# Altium PCB CT310高端控制盒核心板电路V1.3.PcbDoc (part 8 of 10)
Units mil, origin at the board's own origin, x right, y up, seen from the top; angles counter-clockwise.
Board outline 3735.76 x 4625 mil, 2 copper layers (TOP, BOTTOM), stack 10.4 mil thick; 198 components, 362 nets, 1085 pads, 352 vias.
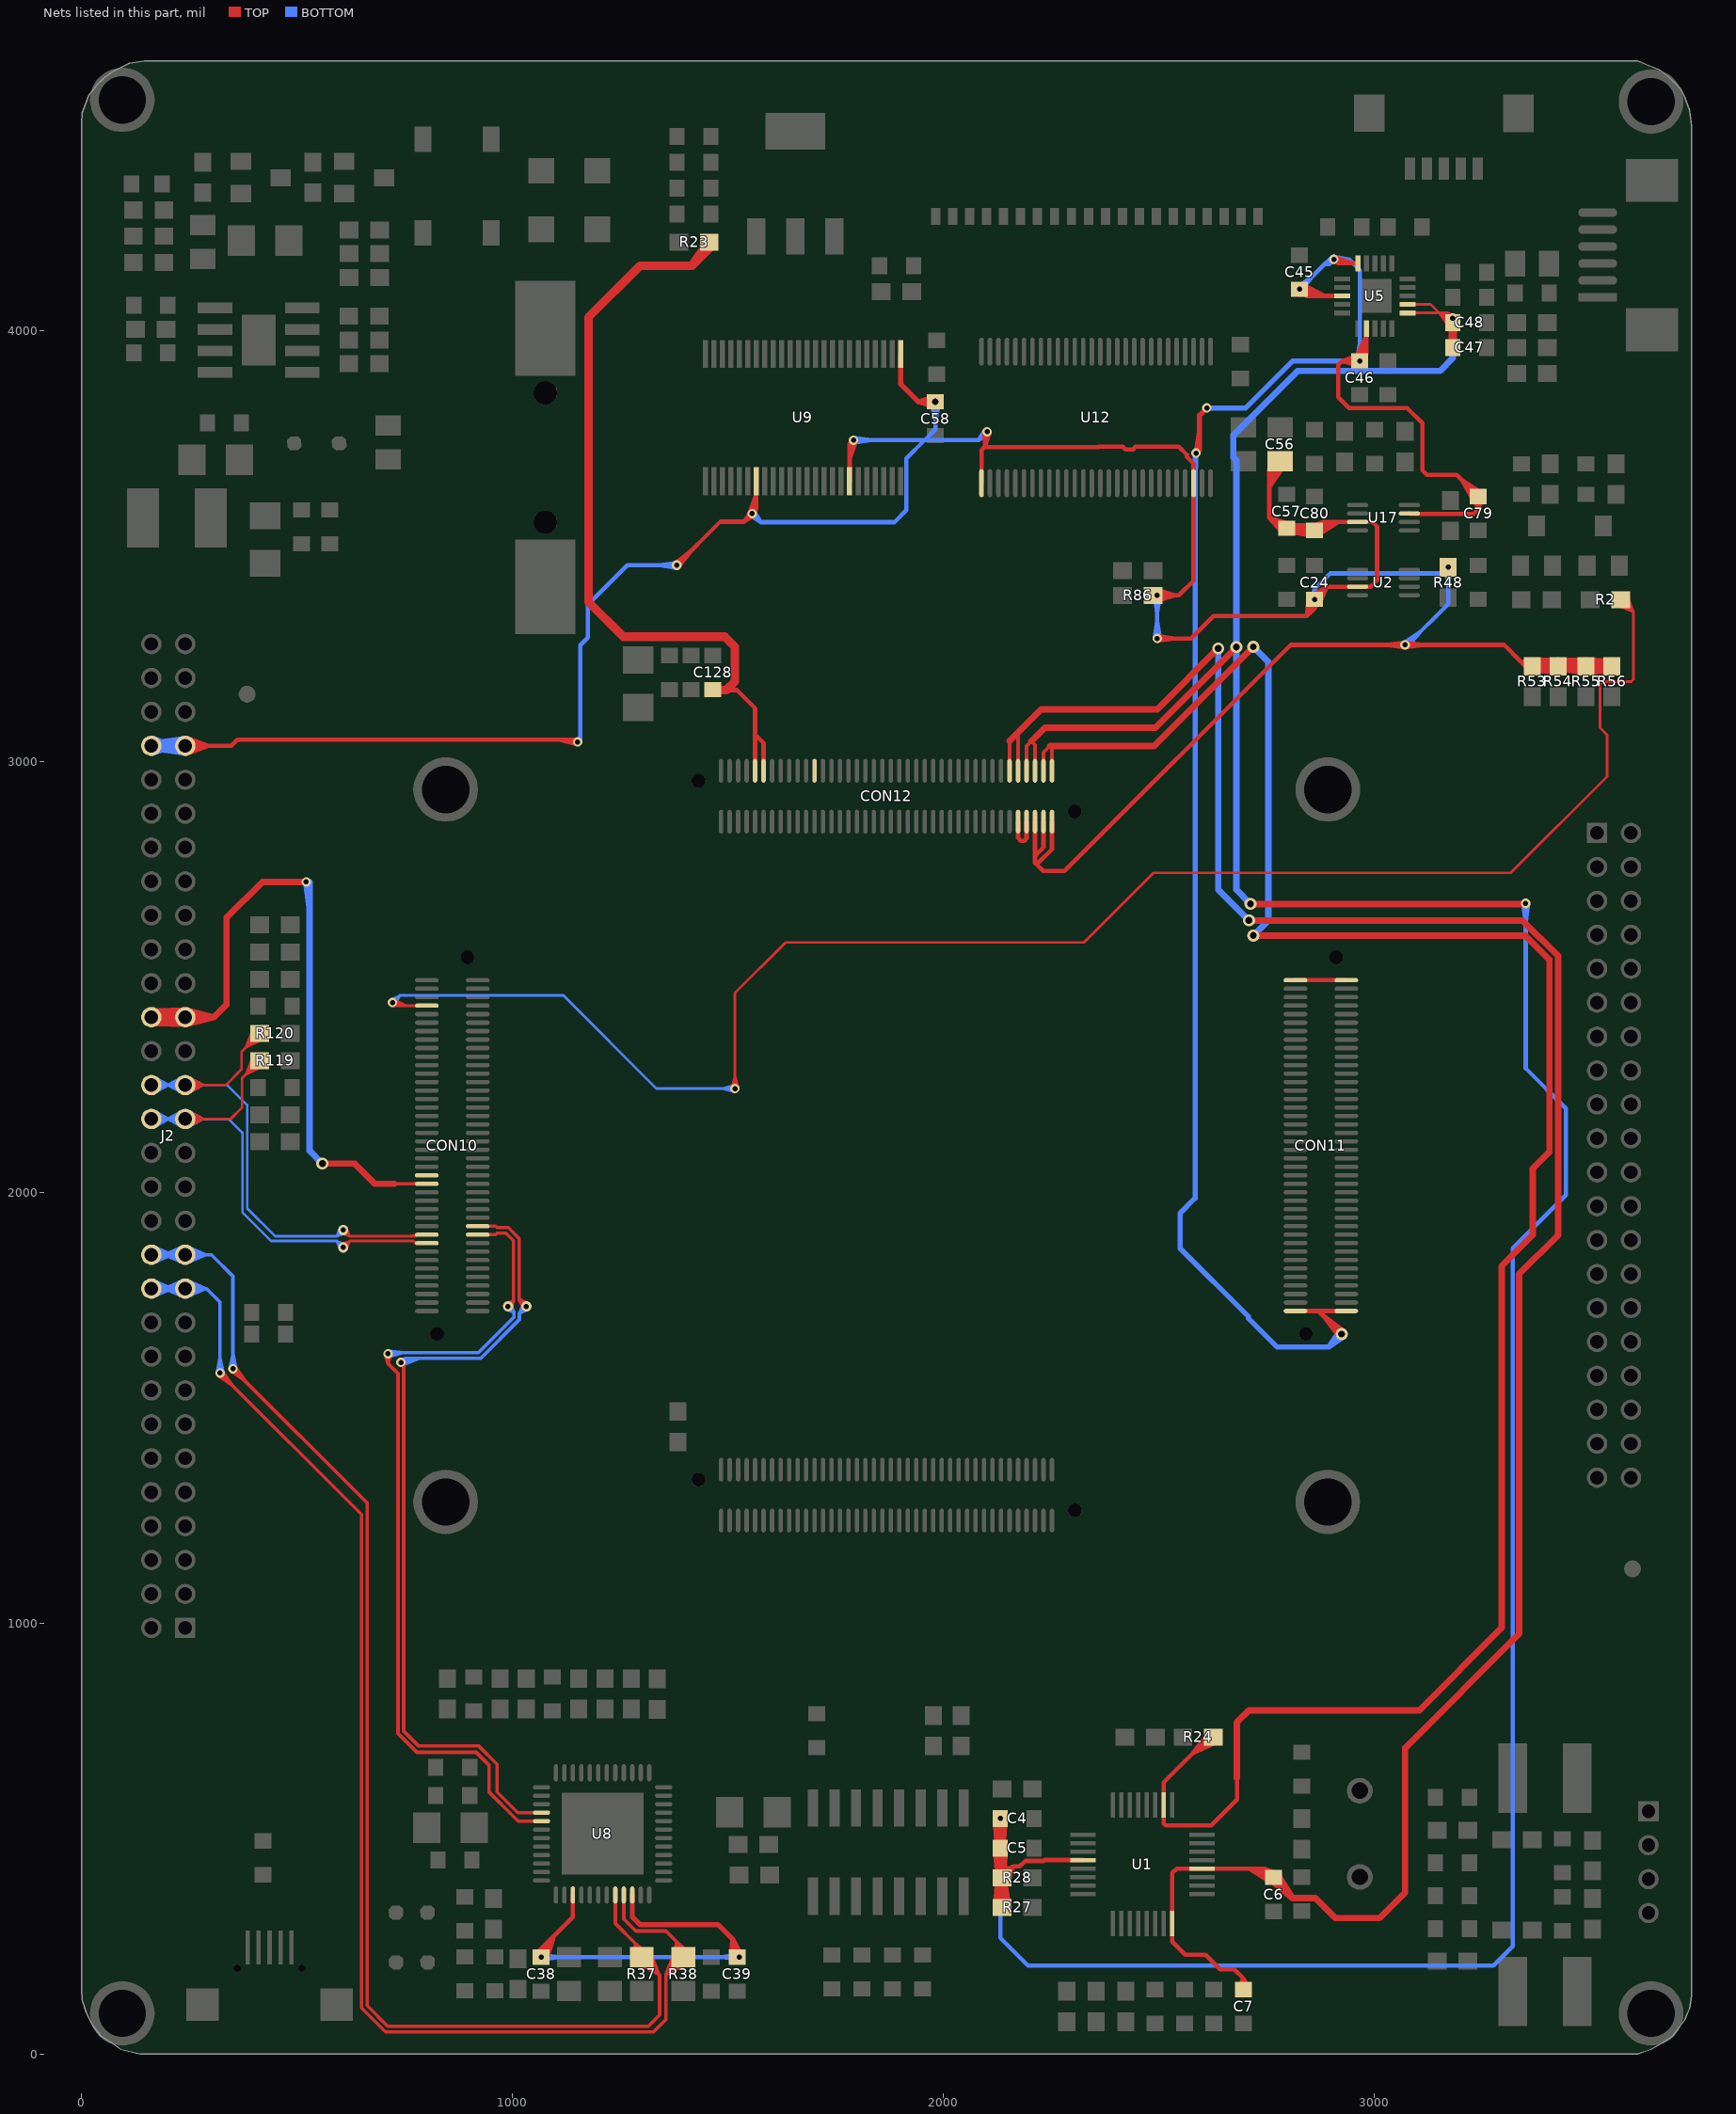
[diagram p8: the nets of this part, all layers, seen from the top]

## Via types
v1: diameter 22, hole 12, TOP to BOTTOM, tented both sides, 177 vias
v2: diameter 22, hole 12, TOP to BOTTOM, 89 vias
v3: diameter 28, hole 16, TOP to BOTTOM, 37 vias
v4: diameter 30, hole 20, TOP to BOTTOM, tented both sides, 26 vias
v5: diameter 24, hole 12, TOP to BOTTOM, 17 vias
v6: diameter 50, hole 30, TOP to BOTTOM, tented both sides, 5 vias
v7: diameter 40, hole 24, TOP to BOTTOM, 1 vias

## Nets (pads, with @x,y where several pads share a name; then routed paths per layer and width w, separated by ;. In a path a pad name is that pad's centre, name@x,y a point inside that pad or via, vN(x,y) a via of type N, cw(c..) or ccw(c..) an arc to the next point about the centre after c; other vN are vias at no path point) (continued)
TX+: J2.23 J2.24 R37.1 U8.8 | length 4265.4
  TOP w8: v1@346.27,1584.63 378.73,1562.03 v1@356.13,1594.49 ; v1(350.76,1590) 662.16,1278.6 662.16,111.83 709.99,64 1314.76,64 1340.76,90 1340.76,182.7 R37.1@1299.09,224.37 ; 1238.14,324.84 U8.8@1238.14,353.84 ; U8.8@1238.14,368.84 1238.14,302.62 1285.76,255 ; R37.1@1275.54,224.64 1285.76,255 ; R37.1@1283.61,223.03 1285.76,255 ; R37.1@1285.76,224.37 1285.76,255 ; R37.1@1291.06,208.82 1339.69,183.78 ; R37.1@1295.16,224.37 1285.76,255 ; R37.1@1295.28,215.71 1339.69,183.78 ; R37.1@1303.03,224.37 1339.69,183.78 ; R37.1@1305.46,229.74 1285.76,255 ; R37.1@1311.25,235.59 1285.76,255 ; R37.1@1312.43,231.2 1339.69,183.78 ; R37.1@1319.72,234.7 1339.69,183.78
  BOTTOM w8: J2.24@161.39,1854.78 J2.23@240.13,1854.78 300.98,1854.78 350.76,1805 v1@350.76,1600 ; J2.24@162.81,1843.24 209.01,1854.78 ; J2.24@162.81,1866.31 209.01,1854.78 ; J2.24@165.43,1835.58 209.01,1854.78 ; J2.24@165.43,1873.98 209.01,1854.78 ; J2.23@236.09,1835.58 192.51,1854.78 ; J2.23@236.09,1873.98 192.51,1854.78 ; J2.23@238.71,1843.24 192.51,1854.78 ; J2.23@238.71,1866.31 192.51,1854.78 ; J2.23@241.55,1843.24 287.75,1854.78 ; J2.23@241.55,1866.31 287.75,1854.78 ; J2.23@244.17,1835.58 287.75,1854.78 ; J2.23@244.17,1873.98 287.75,1854.78 ; v1@343.8,1590.7 350.76,1625 ; v1(350.76,1590) 350.76,1625 ; v1@357.72,1590.7 350.76,1625
TX-: J2.21 J2.22 R38.1 U8.9 | length 4291.1
  TOP w8: v1@316.27,1574.63 348.73,1552.03 v1@326.13,1584.49 ; v1(320.76,1580) 649.16,1251.6 649.16,106.45 704.61,51 1326.76,51 1355.76,80 1355.76,184.37 ; 1257.83,324.84 U8.9@1257.83,353.84 ; U8.9@1257.83,368.84 1257.83,312.93 1285.76,285 1355.76,285 1380.76,260 ; R38.1@1372.21,223.68 1380.76,260 ; R38.1@1375.1,234.63 1355.76,184.37 ; R38.1@1380.32,222.69 1380.76,260 ; R38.1@1380.76,224.37 1380.76,260 ; R38.1@1382.4,231.18 1355.76,184.37 ; R38.1@1395.76,224.37 1355.76,184.37 ; R38.1@1399.56,215.7 1355.76,184.37 ; R38.1@1402.25,229.5 1380.76,260 ; R38.1@1403.76,208.8 1355.76,184.37 ; R38.1@1408.37,234.91 1380.76,260 ; 1355.76,184.37 1391.82,224.37 1380.76,260
  BOTTOM w8: J2.22@161.39,1776.04 J2.21@240.13,1776.04 289.72,1776.04 320.76,1745 v1(320.76,1580) ; J2.22@162.81,1764.5 209.01,1776.04 ; J2.22@162.81,1787.57 209.01,1776.04 ; J2.22@165.43,1756.84 209.01,1776.04 ; J2.22@165.43,1795.24 209.01,1776.04 ; J2.21@236.09,1756.84 192.51,1776.04 ; J2.21@236.09,1795.24 192.51,1776.04 ; J2.21@238.71,1764.5 192.51,1776.04 ; J2.21@238.71,1787.57 192.51,1776.04 ; J2.21@241.55,1764.5 287.75,1776.04 ; J2.21@241.55,1787.57 287.75,1776.04 ; J2.21@244.17,1756.84 287.75,1776.04 ; J2.21@244.17,1795.24 287.75,1776.04 ; v1@313.8,1580.7 320.76,1615 v1@327.72,1580.7
UART_RING: CON12.58
UH_DM2: CON10.22 U8.40 | length 2239.9
  TOP w8: v1(740.76,1605) 746.76,1599 746.76,749 780.76,715 920.76,715 963.47,672.29 963.47,607.71 1011.4,559.78 U8.40@1066.88,559.78 ; CON10.22@918.77,1920.88 960.59,1920.88 ; CON10.22@941.27,1920.88 960.59,1920.88 ; 1022.88,559.78 U8.40@1051.88,559.78 ; v5@1025.09,1729.93 1014.61,1751.57 ; v5@1036.25,1741.09 1014.61,1751.57 ; 960.59,1920.88 963.93,1917.54 989.64,1917.54 1014.61,1892.57 1014.61,1751.57 ; 1014.61,1751.57 v5(1031.61,1734.57) 1014.61,1751.57
  BOTTOM w8: v1@739.78,1611.93 783.45,1614.57 ; v1@742.83,1598.31 783.45,1614.57 ; v5@1025.05,1739.14 1015.61,1718.57 ; v5@1036.18,1728 1015.61,1718.57 ; 783.45,1614.57 v1(740.76,1605) 750.33,1614.57 926,1614.57 1015.61,1704.19 1015.61,1718.57 ; 1015.61,1718.57 v5(1031.61,1734.57) 1015.61,1718.57
UH_DM3: CON10.19 J2.33 J2.34 R120.2 | length 2625.2
  TOP w6: J2.33@240.13,2248.48 334.24,2248.48 370.76,2285 370.76,2325.86 R120.2@413.18,2368.29 ; J2.33@241.02,2239.9 281.75,2248.48 ; J2.33@241.02,2257.05 281.75,2248.48 ; J2.33@242.7,2234.08 281.75,2248.48 ; J2.33@242.7,2262.87 281.75,2248.48 ; J2.33@245.24,2228.5 281.75,2248.48 ; J2.33@245.24,2268.46 281.75,2248.48 ; R120.2@397.12,2377.22 380.77,2335.87 ; R120.2@402.6,2374.61 380.77,2335.87 ; R120.2@407.63,2371.31 380.77,2335.87 ; R120.2@411.21,2368.29 380.77,2335.87 ; R120.2@414.45,2364.9 380.77,2335.87 ; R120.2@418.07,2360.09 380.77,2335.87 ; R120.2@421.02,2354.78 380.77,2335.87 ; v5@601.77,1904.74 621.37,1897.57 ; v5(606.61,1912.32) 621.37,1897.57 ; v5@614.2,1917.16 621.37,1897.57 ; 754.99,1897.57 CON10.19@778.16,1901.21 ; CON10.19@800.66,1901.21 798.29,1903.57 780.17,1903.57 775.17,1898.57 774.67,1898.57 773.67,1897.57 621.37,1897.57
  BOTTOM w6: J2.34@161.39,2248.48 J2.33@240.13,2248.48 337.28,2248.48 383.76,2202 383.76,1962.56 448.75,1897.57 591.86,1897.57 ; J2.34@162.28,2239.9 203.01,2248.48 ; J2.34@162.28,2257.05 203.01,2248.48 ; J2.34@163.96,2234.08 203.01,2248.48 ; J2.34@163.96,2262.87 203.01,2248.48 ; J2.34@166.5,2228.5 203.01,2248.48 ; J2.34@166.5,2268.46 203.01,2248.48 ; J2.33@235.02,2228.5 198.51,2248.48 ; J2.33@235.02,2268.46 198.51,2248.48 ; J2.33@237.56,2234.08 198.51,2248.48 ; J2.33@237.56,2262.87 198.51,2248.48 ; J2.33@239.24,2239.9 198.51,2248.48 ; J2.33@239.24,2257.05 198.51,2248.48 ; J2.33@241.02,2239.9 281.75,2248.48 ; J2.33@241.02,2257.05 281.75,2248.48 ; J2.33@242.7,2234.08 281.75,2248.48 ; J2.33@242.7,2262.87 281.75,2248.48 ; J2.33@245.24,2228.5 281.75,2248.48 ; J2.33@245.24,2268.46 281.75,2248.48 ; v5@599.03,1917.16 591.86,1897.57 ; v5@611.46,1904.74 591.86,1897.57 ; 591.86,1897.57 v5(606.61,1912.32) 591.86,1897.57
UH_DP2: CON10.20 U8.41 | length 2219.5
  TOP w8: v1@703.84,1623.93 710.76,1602 ; v1(710.76,1625) 710.76,1602 ; v1@717.68,1623.93 710.76,1602 ; CON10.20@918.77,1901.21 960.59,1901.21 ; CON10.20@941.27,1901.21 960.59,1901.21 ; v5@984.71,1741.35 1001.61,1747.23 ; v5(988.96,1734.57) 1001.61,1747.23 ; v5@995.73,1730.32 1001.61,1747.23 ; 1022.88,540.1 U8.41@1051.88,540.1 ; U8.41@1066.88,540.1 1012.7,540.1 1000.76,552.04 945.42,607.38 944.76,608.04 944.76,670.5 915.26,700 777.38,700 733.76,743.62 733.76,1579 710.76,1602 ; 960.59,1901.21 963.93,1904.54 984.26,1904.54 1001.61,1887.19 1001.61,1747.23
  BOTTOM w8: v1(710.76,1625) 746.51,1627.57 ; v1@710.94,1632 746.51,1627.57 ; v1@711.94,1618.1 746.51,1627.57 ; v1@718.19,1627.57 920.61,1627.57 1002.61,1709.57 1002.61,1720.91 ; v5@984.59,1727.87 1002.61,1720.91 ; v5(988.96,1734.57) 1002.61,1720.91 ; v5@995.66,1738.93 1002.61,1720.91
UH_DP3: CON10.17 J2.31 J2.32 R119.2 | length 2614.3
  TOP w6: J2.31@240.97,2178.32 281.75,2170 ; J2.31@241.08,2161.17 281.75,2170 ; J2.31@242.61,2184.15 281.75,2170 ; J2.31@242.79,2155.36 281.75,2170 ; J2.31@245.11,2189.75 281.75,2170 ; J2.31@245.36,2149.79 281.75,2170 ; R119.2@397.12,2314.3 380.77,2272.94 ; R119.2@402.6,2311.68 380.77,2272.94 ; R119.2@407.63,2308.38 380.77,2272.94 ; R119.2@411.21,2305.36 380.77,2272.94 ; R119.2@413.18,2305.36 371.79,2263.97 371.79,2196.03 345.76,2170 240.39,2170 J2.31@240.13,2169.74 281.75,2170 ; R119.2@414.45,2301.97 380.77,2272.94 ; R119.2@418.07,2297.16 380.77,2272.94 ; R119.2@421.02,2291.86 380.77,2272.94 ; v5@601.77,1879.41 621.36,1886.57 ; v5(606.61,1871.82) 621.36,1886.57 ; v5@614.2,1866.98 621.36,1886.57 ; CON10.17@778.16,1881.51 769.61,1886.57 ; CON10.17@800.66,1881.51 774.67,1881.51 769.61,1886.57 ; 621.36,1886.57 769.61,1886.57
  BOTTOM w6: J2.32@161.39,2169.74 J2.31@240.13,2169.74 341.02,2169.74 372.76,2138 372.76,1953 439.19,1886.57 591.86,1886.57 ; J2.32@162.28,2161.16 203.01,2169.74 ; J2.32@162.28,2178.31 203.01,2169.74 ; J2.32@163.96,2155.34 203.01,2169.74 ; J2.32@163.96,2184.13 203.01,2169.74 ; J2.32@166.5,2149.76 203.01,2169.74 ; J2.32@166.5,2189.72 203.01,2169.74 ; J2.31@235.02,2149.76 198.51,2169.74 ; J2.31@235.02,2189.72 198.51,2169.74 ; J2.31@237.56,2155.34 198.51,2169.74 ; J2.31@237.56,2184.13 198.51,2169.74 ; J2.31@239.24,2161.16 198.51,2169.74 ; J2.31@239.24,2178.31 198.51,2169.74 ; J2.31@241.02,2161.16 281.75,2169.74 ; J2.31@241.02,2178.31 281.75,2169.74 ; J2.31@242.7,2155.34 281.75,2169.74 ; J2.31@242.7,2184.13 281.75,2169.74 ; J2.31@245.24,2149.76 281.75,2169.74 ; J2.31@245.24,2189.72 281.75,2169.74 ; v5@599.03,1866.98 591.86,1886.57 ; v5@611.46,1879.41 591.86,1886.57 ; 591.86,1886.57 v5(606.61,1871.82) 591.86,1886.57
V_BKCOIN: C128.1 CON12.70 CON12.72 R23.1 | length 2022.2
  TOP w10: 1505.86,3165.2 1520.56,3165.2 1562.47,3123.29 1562.47,3061.71 ; CON12.72@1562.47,2977.98 1562.47,3061.71 ; CON12.72@1562.47,3000.48 1562.47,3035.48 ; CON12.70@1582.16,2977.98 1582.16,3042.02 1562.47,3061.71 ; CON12.70@1582.16,3000.48 1582.16,3035.48
  TOP w20: R23.1@1454.22,4205 1415.76,4150 ; R23.1@1456.19,4205 1456.19,4190.43 1415.76,4150 ; C128.1@1464.61,3165.2 1495.96,3165.2 ; C128.1@1466.58,3166.52 1495.96,3165.2 ; 1415.76,4150 1295.76,4150 1175.76,4030 1175.76,3370 1256.76,3289 1492.17,3289 1515.76,3265.41 1515.76,3185 1495.96,3165.2
VDD1V8_EXT: C24.1 C56.1 C57.1 C58.1 C80.1 CON12.1 CON12.3 CON12.5 J2.53 J2.54 R48.1 R53.1 R54.1 R55.1 R56.1 R86.1 U2.3 U9.1 U9.31 U9.42 U12.1 U12.26 U17.3 | length 19943.9
  TOP w10: J2.53@240.13,3035.88 346.64,3035.88 360.76,3050 1145.76,3050 v1(1150.76,3045) 1107.99,3050 ; J2.53@240.82,3027.29 293.75,3035.88 ; J2.53@240.82,3044.47 293.75,3035.88 ; J2.53@243.36,3017.54 293.75,3035.88 ; J2.53@243.36,3054.22 293.75,3035.88 ; v1@1149.65,3039.1 1107.99,3050 ; v1@1151.04,3050.99 1107.99,3050 ; v1@1376.81,3459.51 1412.97,3487.21 v1@1385.27,3451.05 ; v1(1380.76,3455) 1481.76,3556 1536.76,3556 ; v1@1550,3576.67 U9.31@1565.34,3618.71 ; v1@1550,3576.69 U9.31@1565.34,3618.26 ; v1@1551.07,3578.74 1536.76,3556 ; v1@1551.78,3579.49 1565.34,3587.5 ; v1@1559.5,3570.31 1536.76,3556 ; v1@1561.13,3572.32 1565.34,3587.5 ; U9.31@1565.34,3623.5 1565.34,3587.5 ; U9.31@1565.34,3650 1565.34,3584.58 v1(1555.76,3575) ; U9.42@1781.89,3650 1781.89,3736.13 v1(1790.76,3745) 1781.89,3701.49 ; U9.42@1781.89,3676.5 1781.89,3712.5 ; v1@1784.81,3745.8 1781.89,3701.49 ; v1@1796.54,3743.41 1781.89,3701.49 ; U12.1@2087.87,3645.4 2087.87,3722.11 2095.76,3730 ; U12.1@2087.87,3672.56 2087.87,3707.88 ; v1@2094.77,3765.34 2095.76,3730 ; v1@2106.61,3763.65 2095.76,3730 ; 2212.08,2802.36 CON12.5@2212.08,2837.36 ; CON12.5@2212.08,2859.86 2212.08,2780 ; 2231.76,2802.36 CON12.3@2231.76,2837.36 ; CON12.3@2231.76,2859.86 2231.76,2799.68 2212.08,2780 ; 2251.45,2802.36 CON12.1@2251.45,2837.36 ; CON12.1@2251.45,2859.86 2251.45,2795.69 2219.44,2763.68 2212.08,2763.68 ; R86.1@2486.19,3385 v1(2495.76,3385) ; R86.1@2488.16,3385 2537.85,3385 ; R86.1@2489.84,3384.03 R86.1@2490.33,3399.52 ; R86.1@2489.84,3385.97 R86.1@2490.33,3370.48 ; v1(2495.76,3285) 2573.99,3285 2625.99,3337 2842.76,3337 ; v1@2496.2,3279.02 2536.76,3285 v1@2496.2,3290.98 ; R86.1@2500.87,3381.85 R86.1@2490.33,3370.48 ; R86.1@2500.87,3388.15 R86.1@2490.33,3399.52 ; 2579.99,3582.92 U12.26@2579.99,3618.23 ; U12.26@2579.99,3672.56 2579.99,3691.07 ; C56.1@2756.46,3699.44 2755.76,3635.25 ; C56.1@2766.47,3698.54 2755.76,3635.25 ; C56.1@2780.76,3696.54 2755.76,3671.54 ; C56.1@2782.9,3693.42 2755.76,3635.25 ; C57.1@2785.49,3531 2755.76,3565 ; C56.1@2791.64,3688.48 2755.76,3635.25 ; C57.1@2793.79,3540.63 2755.76,3565 ; C57.1@2797.73,3540.63 C80.1@2845.85,3535.63 ; C57.1@2798.09,3527.92 C80.1@2845.85,3535.63 ; C57.1@2799.08,3552.2 2755.76,3565 ; C57.1@2800.69,3553 C80.1@2845.85,3535.63 ; C80.1@2853.82,3523.93 C57.1@2810.92,3549.06 ; C24.1@2854.91,3385.66 2890.29,3405.16 ; C80.1@2855.65,3547.95 C57.1@2810.95,3529.99 ; C80.1@2856.16,3523.19 C57.1@2811.01,3539.25 ; C80.1@2857.1,3523.03 C57.1@2811.07,3535.63 ; C80.1@2857.1,3548.23 C57.1@2811.07,3535.63 ; C80.1@2858.06,3548.33 C57.1@2811.01,3539.25 ; C24.1@2858.34,3370.14 C24.1@2846.44,3378.66 ; C80.1@2858.6,3522.91 C57.1@2810.95,3529.99 ; C24.1@2858.79,3375.63 2842.76,3337 ; C24.1@2858.95,3369.91 C24.1@2873.27,3368.52 ; C80.1@2859.71,3547.98 2915.93,3555.16 ; C80.1@2860.63,3548.21 C57.1@2810.92,3549.06 ; C24.1@2860.77,3381.63 C24.1@2846.44,3378.66 ; C24.1@2862.73,3375.63 2890.29,3405.16 ; C24.1@2864.74,3380.12 C24.1@2873.27,3368.52 ; C80.1@2868.42,3524.26 2915.93,3555.16 ; C24.1@2869.66,3369.03 2842.76,3337 ; 2906.11,3405.16 U2.3@2941.04,3405.16 ; 2906.11,3555.16 U17.3@2941.04,3555.16 ; U2.3@2980.41,3405.16 2990.92,3405.16 ; U17.3@2980.41,3555.16 2995.6,3555.16 ; v1@3070.32,3264.02 3029.76,3270 ; v1@3070.32,3275.98 3029.76,3270 ; v1@3071.2,3264.02 3111.76,3270 v1@3071.2,3275.98 ; R53.1@3357.54,3210.23 3340.76,3230.43 ; R53.1@3365.56,3237.09 R54.1@3417.33,3230.43 ; R53.1@3366.16,3237.08 3340.76,3230.43 ; R53.1@3370.04,3208.35 R54.1@3417.33,3230.43 ; R54.1@3420.01,3208.89 R53.1@3375.53,3235.8 ; R54.1@3421.42,3232.49 R53.1@3373.68,3210.05 ; R54.1@3421.45,3208.36 R53.1@3374.63,3230.43 ; R54.1@3422.85,3206.04 R53.1@3373.23,3223.56 ; R54.1@3424.58,3235.07 R53.1@3373.23,3223.56 ; R54.1@3425.56,3237.09 R55.1@3477.06,3230.43 ; R54.1@3425.76,3218.46 R53.1@3373.68,3210.05 ; R54.1@3425.76,3220.43 R53.1@3373.23,3223.56 ; R54.1@3425.96,3237.09 R53.1@3374.63,3230.43 ; R54.1@3426.06,3203.78 R53.1@3373.68,3210.05 ; R54.1@3427.5,3236.98 R53.1@3375.53,3235.8 ; R54.1@3430.06,3208.36 R55.1@3477.06,3230.43 ; R55.1@3485.23,3208.8 R54.1@3439.59,3235.27 ; R55.1@3486.48,3208.35 R54.1@3439.24,3230.43 ; R55.1@3486.91,3232.64 R54.1@3436.19,3211.24 ; R55.1@3487.81,3206.05 R54.1@3436.41,3224.07 ; R55.1@3489.48,3237.03 R56.1@3541.43,3234.2 ; R55.1@3489.76,3235.08 R54.1@3436.41,3224.07 ; R55.1@3489.96,3203.8 R56.1@3542.55,3208.3 ; R55.1@3490.51,3237.08 3530.76,3230.43 ; R55.1@3490.73,3203.78 R54.1@3436.19,3211.24 ; R55.1@3490.96,3237.09 R54.1@3439.24,3230.43 ; R55.1@3492.33,3237 R54.1@3439.59,3235.27 ; R55.1@3492.41,3235.02 R56.1@3543.4,3221.86 ; R55.1@3493.2,3205.95 R56.1@3543.4,3221.86 ; R55.1@3495.57,3232.34 R56.1@3542.55,3208.3 ; R55.1@3496.08,3208.71 R56.1@3541.43,3234.2 ; R55.1@3496.19,3208.76 3530.76,3230.43 ; R56.1@3540.97,3211.45 3530.76,3230.43 ; R56.1@3545.99,3206.55 R55.1@3499.09,3230.43 ; R56.1@3550.76,3220.43 R55.1@3499.09,3230.43 ; R56.1@3550.76,3222.4 3530.76,3230.43 ; R56.1@3551.26,3237.08 3530.76,3230.43 ; R56.1@3551.51,3235.1 R55.1@3499.09,3230.43 ; 1536.76,3556 v1(1555.76,3575) ; 1536.76,3556 v1(1555.76,3575) ; v1(1555.76,3575) U9.31@1565.34,3618.26 ; v1(1555.76,3575) 1565.34,3587.5 ; v1(1555.76,3575) U9.31@1565.34,3618.71 ; U9.31@1565.34,3618.26 1561.69,3574.1 U9.31@1565.34,3618.71 ; 2095.76,3730 2096.76,3729 2359.46,3729 2360.46,3730 2416.06,3730 2422.06,3724 2439.46,3724 2445.46,3730 2545.76,3730 2564.76,3711 2564.76,3706.3 2579.99,3691.07 ; 2095.76,3730 2095.76,3760 v1(2100.76,3765) 2095.76,3730 ; 2212.08,2763.68 2212.08,2780 ; 2212.08,2763.68 2230.76,2745 2280.46,2745 2805.46,3270 v1(3070.76,3270) ; R86.1@2490.33,3370.48 2537.85,3385 ; R86.1@2490.33,3370.48 v1(2495.76,3385) ; R86.1@2490.33,3399.52 2537.85,3385 ; R86.1@2490.33,3399.52 v1(2495.76,3385) ; v1(2495.76,3385) 2545.76,3385 2579.99,3419.23 U12.26@2579.99,3645.4 2579.99,3691.07 ; v1(2495.76,3385) 2537.85,3385 ; v1(2495.76,3385) 2536.76,3385 ; v1(2495.76,3385) 2537.85,3385 ; R86.1@2496.19,3379.02 2537.85,3385 ; R86.1@2496.2,3379.02 2536.76,3385 ; R86.1@2496.19,3379.02 2537.85,3385 ; R86.1@2496.2,3379.02 2536.76,3385 ; R86.1@2496.19,3390.98 2537.85,3385 ; R86.1@2496.2,3390.98 2536.76,3385 ; R86.1@2496.19,3390.98 2537.85,3385 ; R86.1@2496.2,3390.98 2536.76,3385 ; 2755.76,3565 2755.76,3671.54 ; 2755.76,3565 2780.13,3540.63 C57.1@2795.76,3540.63 2800.76,3535.63 C80.1@2860.76,3535.63 2880.29,3555.16 ; 2755.76,3635.25 C56.1@2774.85,3696.54 ; 2755.76,3671.54 2785.64,3681.36 2755.76,3671.54 ; 2755.76,3671.54 2757.37,3702.95 2755.76,3671.54 ; 2755.76,3671.54 2780.92,3690.41 2755.76,3671.54 ; 2755.76,3671.54 2767.35,3700.78 2755.76,3671.54 ; 2755.76,3671.54 C56.1@2774.85,3696.54 ; 2755.76,3671.54 C56.1@2774.85,3696.54 ; C57.1@2810.92,3549.06 C80.1@2858.79,3535.63 ; C57.1@2810.95,3529.99 C80.1@2858.79,3535.63 ; C57.1@2811.01,3539.25 C80.1@2858.79,3535.63 ; C57.1@2811.07,3535.63 C80.1@2858.79,3535.63 ; 2842.76,3337 2860.76,3355 ; 2842.76,3337 C24.1@2846.44,3378.66 ; 2842.76,3337 C24.1@2866.01,3372.72 ; 2842.76,3337 C24.1@2855.16,3377.77 ; 2842.76,3337 v1(2860.76,3375.63) ; 2842.76,3337 C24.1@2866.01,3372.72 ; 2842.76,3337 C24.1@2855.16,3377.77 ; 2842.76,3337 v1(2860.76,3375.63) ; 2842.91,3337.35 C24.1@2866,3372.71 ; 2842.91,3337.35 C24.1@2855.16,3377.77 ; 2842.91,3337.35 v1(2860.76,3375.63) ; C24.1@2846.44,3378.66 v1(2860.76,3375.63) ; C24.1@2848.66,3371.71 2860.76,3355 ; C24.1@2848.66,3371.71 2860.76,3355 ; C24.1@2848.66,3371.71 2861.21,3369.65 C24.1@2848.66,3371.71 ; C24.1@2848.66,3371.71 2857.62,3380.74 C24.1@2848.66,3371.71 ; C24.1@2848.66,3371.71 v1(2860.76,3375.63) ; C24.1@2848.66,3371.71 v1(2860.76,3375.63) ; C24.1@2854.82,3374.76 2860.76,3355 ; C24.1@2854.82,3374.76 2860.76,3355 ; C24.1@2854.82,3374.76 2860.76,3355 ; C24.1@2854.82,3374.76 2860.76,3355 ; C24.1@2854.82,3374.76 2860.76,3355 ; C24.1@2854.82,3374.76 2860.76,3355 ; C24.1@2854.82,3374.76 2860.76,3355 ; C24.1@2856.83,3380.17 2890.29,3405.16 ; C24.1@2856.83,3380.17 2890.29,3405.16 ; C24.1@2856.83,3380.17 2890.29,3405.16 ; C24.1@2856.83,3380.17 2890.29,3405.16 ; 2860.76,3355 v1(2860.76,3375.63) ; 2860.76,3355 C24.1@2872.86,3371.71 ; 2860.76,3355 v1(2860.76,3375.63) ; 2860.76,3355 C24.1@2872.86,3371.71 ; 2860.76,3355 v1(2860.76,3375.63) ; 2860.76,3355 C24.1@2866.7,3374.76 ; 2860.76,3355 v1(2860.76,3375.63) ; 2860.76,3355 C24.1@2866.7,3374.76 ; 2860.76,3355 v1(2860.76,3375.63) ; 2860.76,3355 C24.1@2866.7,3374.76 ; 2860.76,3355 v1(2860.76,3375.63) ; 2860.76,3355 C24.1@2866.7,3374.76 ; 2860.76,3355 v1(2860.76,3375.63) ; 2860.76,3355 C24.1@2866.7,3374.76 ; 2860.76,3355 v1(2860.76,3375.63) ; 2860.76,3355 C24.1@2866.7,3374.76 ; 2860.76,3355 v1(2860.76,3375.63) ; 2860.76,3355 C24.1@2866.7,3374.76 ; 2860.76,3355 v1(2860.76,3375.63) ; v1(2860.76,3375.63) 2890.29,3405.16 ; v1(2860.76,3375.63) C24.1@2872.86,3371.71 ; v1(2860.76,3375.63) C24.1@2872.86,3371.71 ; v1(2860.76,3375.63) 2890.29,3405.16 ; v1(2860.76,3375.63) 2890.29,3405.16 ; v1(2860.76,3375.63) C24.1@2873.27,3368.52 ; v1(2860.76,3375.63) 2890.29,3405.16 ; C80.1@2862.73,3535.63 2880.29,3555.16 ; C80.1@2862.73,3535.63 2915.93,3555.16 ; C80.1@2862.73,3535.63 2880.29,3555.16 ; C24.1@2865.3,3371.7 2890.29,3405.16 ; C24.1@2865.3,3371.7 2890.29,3405.16 ; C24.1@2865.3,3371.7 2890.29,3405.16 ; C24.1@2865.3,3371.7 2890.29,3405.16 ; C24.1@2872.86,3371.71 2863.9,3380.74 C24.1@2872.86,3371.71 ; C24.1@2872.86,3371.71 2860.31,3369.65 C24.1@2872.86,3371.71 ; C24.1@2873.27,3368.52 2890.29,3405.16 ; 2880.29,3555.16 U17.3@2960.72,3555.16 2995.6,3555.16 ; 2880.29,3555.16 2855.61,3546.17 2880.29,3555.16 ; 2880.29,3555.16 2873.96,3529.67 2880.29,3555.16 ; 2890.29,3405.16 U2.3@2960.72,3405.16 2990.92,3405.16 ; 2990.92,3405.16 3005.76,3420 3005.76,3545 2995.6,3555.16 ; 3029.76,3270 v1(3070.76,3270) ; v1(3070.76,3270) 3301.19,3270 3340.76,3230.43 ; 3340.76,3230.43 3530.76,3230.43 ; 3340.76,3230.43 3365.76,3222.4 R54.1@3417.33,3230.43 ; R53.1@3374.63,3230.43 R54.1@3425.76,3222.4 ; R53.1@3375.53,3235.8 R54.1@3425.76,3222.4 ; R54.1@3425.76,3222.4 R55.1@3477.06,3230.43 ; R54.1@3436.19,3211.24 3490.76,3218.46 R56.1@3542.55,3208.3 ; R54.1@3436.41,3224.07 R55.1@3490.76,3220.43 R56.1@3543.4,3221.86 ; R54.1@3439.24,3230.43 R55.1@3490.76,3222.4 ; R54.1@3439.59,3235.27 R55.1@3490.76,3222.4 ; R55.1@3490.76,3222.4 3530.76,3230.43 ; R55.1@3490.76,3222.4 R56.1@3541.43,3234.2